# KiCad board hw-openmower-universal.kicad_pcb (continued)
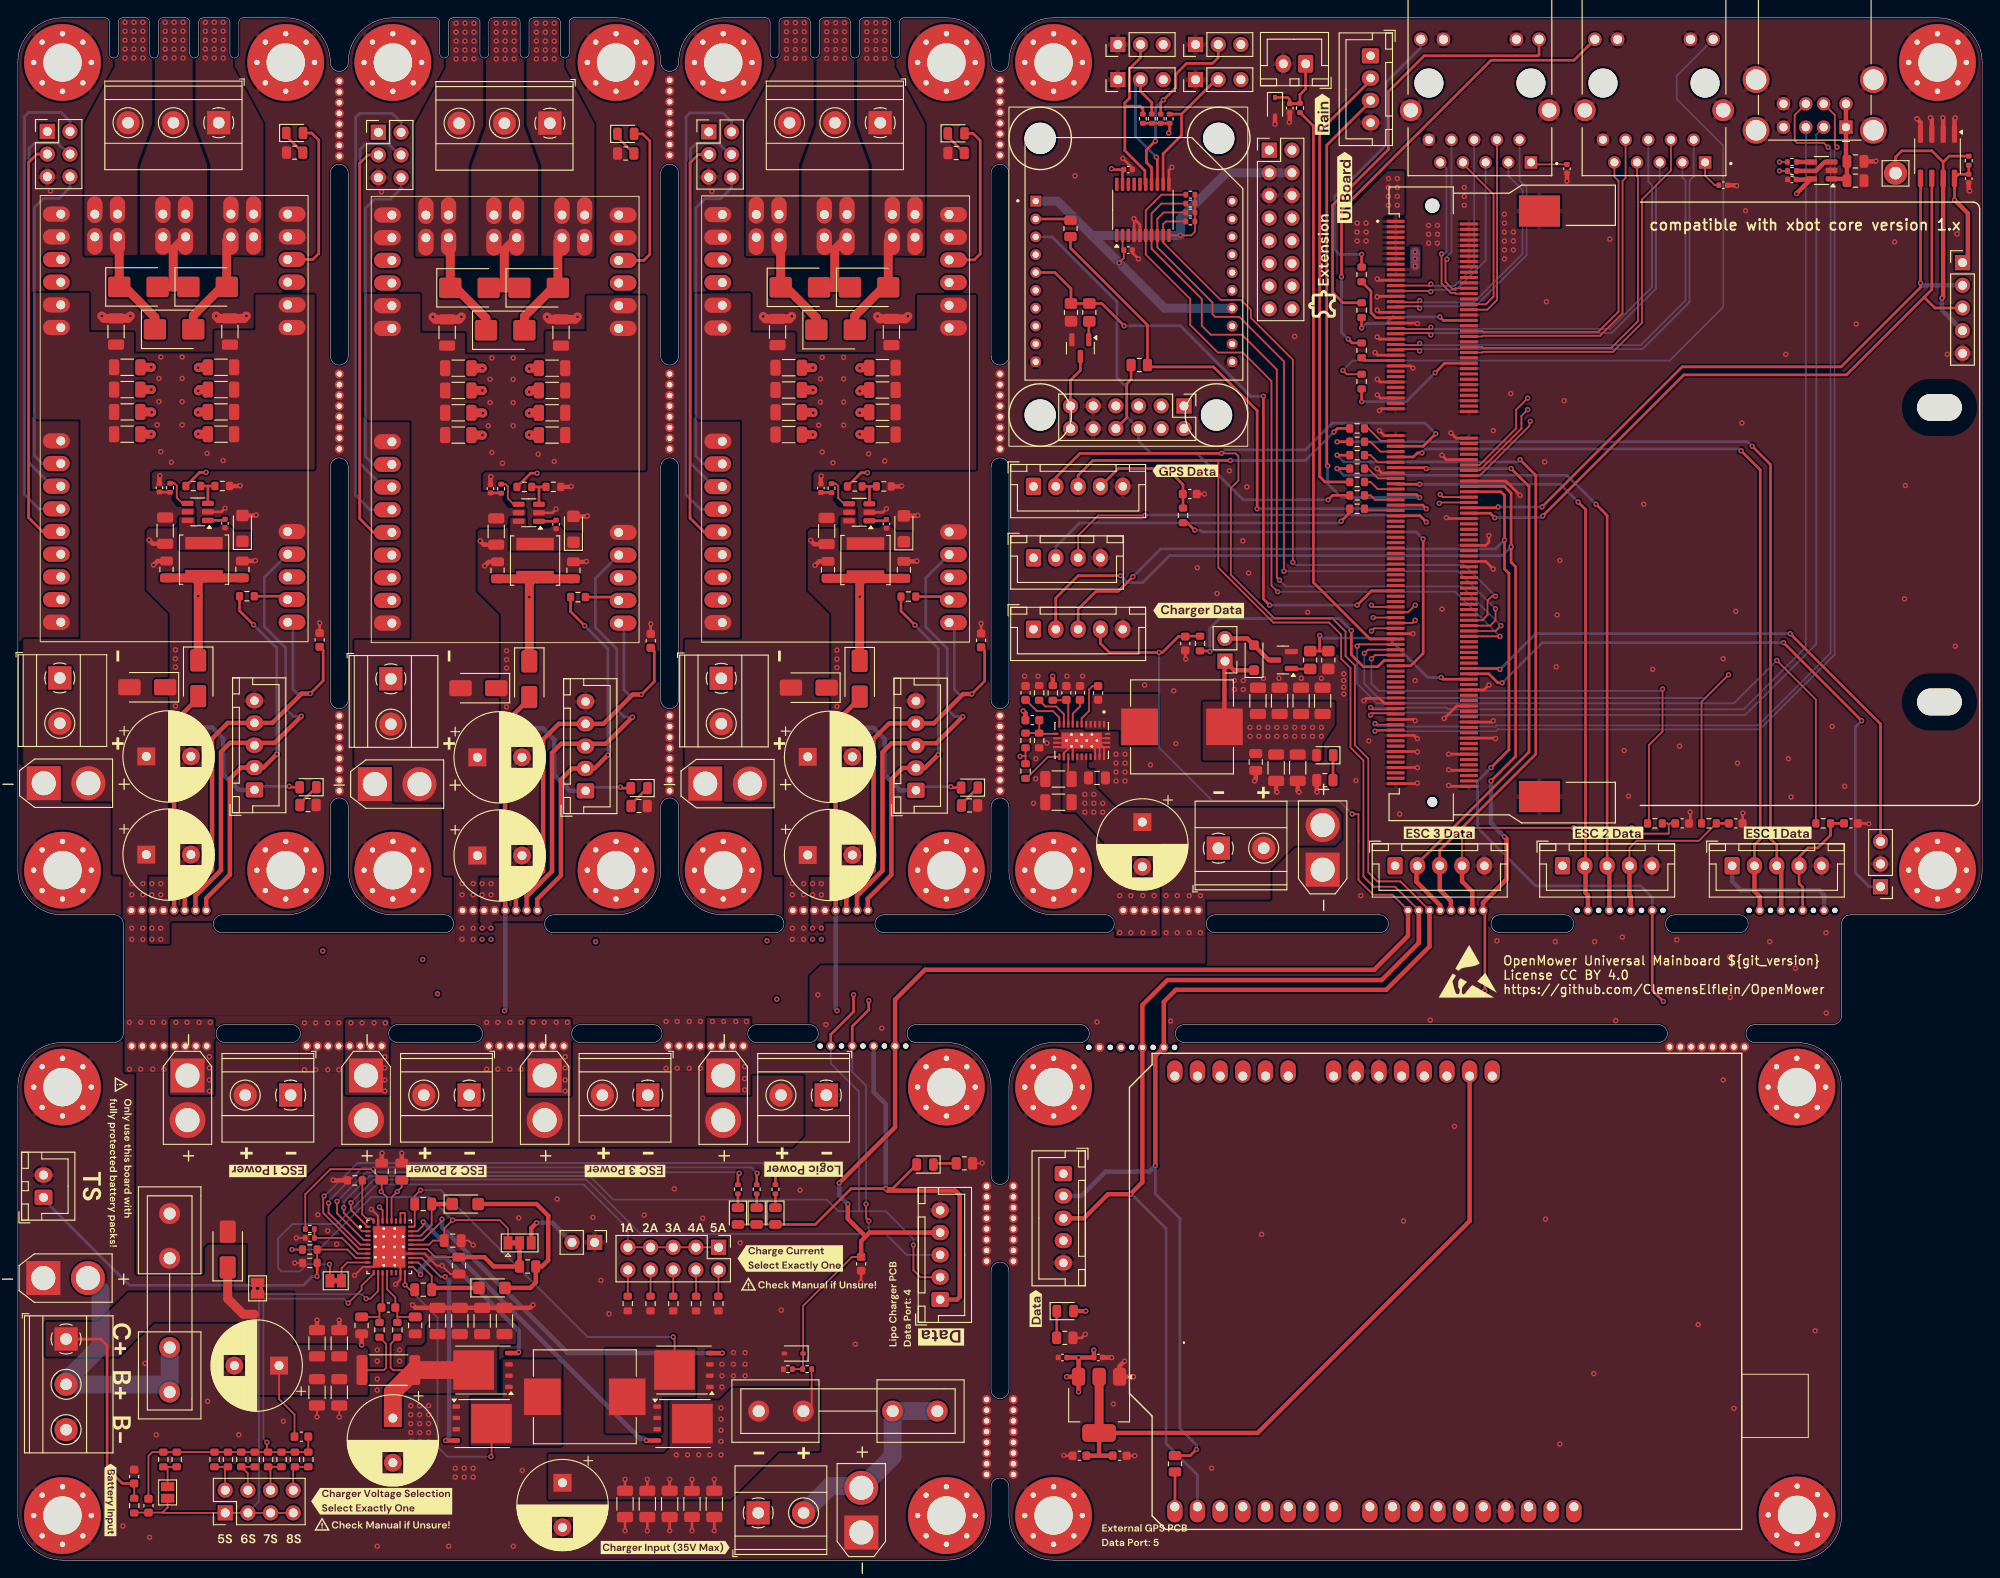
[diagram p0: board, top side]
## Placement (name value [footprint] x y rotation side) (continued)
L1  6.8uH  [L_Sunlord_MWSA1004S]  130.39 93.36 0 top
L4  10uH  [L_Sunlord_MWSA1004S]  63.5 18.3 180 top
L5  47uH  [L_Sunlord_SWPA5040S]  20.85 112.1 270 top
L6  47uH  [L_Sunlord_SWPA5040S]  57.93 112 270 top
L7  47uH  [L_Sunlord_SWPA5040S]  94.93 112.05 270 top
LOGO2  -  [ESD-Logo_6.6x6mm_SilkScreen]  162.39 65.99 0 top
M1  Fan  [PinHeader_1x02_P2.54mm_Vertical]  135.2 100.73 180 top
Q1  AO3400A  [SOT-23]  119 135.8 270 top
Q2  AO3400A  [SOT-23]  141.69 100.85 180 top
Q6  BSC0702LS  [TDSON-8-1]  74.5 15.3 0 top
Q7  BSC0702LS  [TDSON-8-1]  74.6 21.3 180 top
Q8  BSC0702LS  [TDSON-8-1]  52.1 21.3 180 top
Q9  BSC0702LS  [TDSON-8-1]  52 15.3 0 top
R1  150R  [R_0603_1608Metric]  150 125.3 0 top
R2  47kR  [R_0603_1608Metric]  68.31 28.75 90 top
R3  150R  [R_0603_1608Metric]  150 122.3 0 top
R4  25k 0.1%  [R_0603_1608Metric]  70.86 28.75 270 top
R5  150R  [R_0603_1608Metric]  150 123.8 0 top
R6  150R  [R_0603_1608Metric]  150 126.8 0 top
R7  10k  [R_0402_1005Metric]  198.7 156.65 180 top
R8  10k  [R_0402_1005Metric]  198.7 155.65 0 top
R9  100k  [R_0402_1005Metric]  17.05 120.15 90 top
R10  120k  [R_0603_1608Metric]  19.65 120.35 0 top
R11  300R  [R_0603_1608Metric]  150.5 132.05 90 top
R12  300R  [R_0603_1608Metric]  150.5 135.55 90 top
R13  300R  [R_0603_1608Metric]  150.5 140.05 90 top
R14  300R  [R_0603_1608Metric]  150.5 144.05 90 top
R15  10k  [R_0402_1005Metric]  218.5 156.8 90 top
R16  10k  [R_0402_1005Metric]  143.59 162.7 90 top
R17  22k  [R_0603_1608Metric]  22.9 120.35 0 top
R18  150R  [R_0603_1608Metric]  202.2 82.55 180 top
R19  10k  [R_0402_1005Metric]  131.32 149.99 180 top  (not fitted)
R21  100k  [R_0402_1005Metric]  32.7 37.1 0 top
R22  R  [R_1206_3216Metric]  75.5 6.3 270 top  (not fitted)
R23  16.2k 1%  [R_0603_1608Metric]  25.03 11.28 90 top
R24  10k  [R_0805_2012Metric_Pad1.20x1.40mm_HandSolder]  117.95 139.8 90 top
R25  150R  [R_0805_2012Metric_Pad1.20x1.40mm_HandSolder]  120 139.8 270 top
R26  2.2k  [R_0805_2012Metric]  117.9 149.2 270 top
R27  100k  [R_0402_1005Metric]  54.13 120.05 90 top
R28  120k  [R_0603_1608Metric]  56.73 120.25 0 top
R29  22k  [R_0603_1608Metric]  59.98 120.25 0 top
R30  100k  [R_0402_1005Metric]  91.13 120.1 90 top
R31  120k  [R_0603_1608Metric]  93.73 120.3 0 top
R32  22k  [R_0603_1608Metric]  96.98 120.3 0 top
R33  249kR 0.1%  [R_0603_1608Metric]  13.03 6.1 270 top
R34  10k  [R_0402_1005Metric]  80.65 41.55 90 top
R35  10k  [R_0402_1005Metric]  82.75 41.55 90 top
R36  16.2k 1%  [R_0603_1608Metric]  73.41 28.75 270 top
R37  10k  [R_0402_1005Metric]  131.32 150.99 180 top  (not fitted)
R38  10k  [R_0402_1005Metric]  131.32 151.99 180 top  (not fitted)
R39  150R  [R_0603_1608Metric]  189.4 82.55 180 top
R40  150R  [R_0603_1608Metric]  183.35 82.55 180 top
R41  10k  [R_0402_1005Metric]  131.32 152.99 180 top  (not fitted)
R42  150R  [R_0603_1608Metric]  132.4 102.7 270 top
R43  150R  [R_0603_1608Metric]  25.65 108 0 top
R44  1k  [R_0805_2012Metric]  117.26 24.91 0 top
R45  1k  [R_0805_2012Metric]  31 157.7 180 top
R46  1k  [R_0805_2012Metric]  68.08 157.6 180 top
R47  10k  [R_0402_1005Metric]  129 161.5 90 top
R48  10k  [R_0402_1005Metric]  127 161.5 90 top
R49  10k  [R_0402_1005Metric]  128 161.5 90 top
R50  10k  [R_0402_1005Metric]  126 161.5 90 top
R51  R  [R_0603_1608Metric]  114.38 97.17 90 top  (not fitted)
R52  10k  [R_0805_2012Metric_Pad1.20x1.40mm_HandSolder]  146.77 100.85 90 top  (not fitted)
R53  150R  [R_0805_2012Metric_Pad1.20x1.40mm_HandSolder]  144.74 100.85 270 top
R54  200k 0.1%  [R_0402_1005Metric]  88.4 21.4 0 top
R55  13k 0.1%  [R_0402_1005Metric]  86.25 21.4 0 top
R56  100k  [R_0603_1608Metric]  112.86 88.41 90 top
R57  100k 0.1%  [R_0603_1608Metric]  112.86 91.84 90 top
R58  2.2k  [R_0805_2012Metric]  125.6 133.9 0 top
R59  2.2k  [R_0805_2012Metric]  129.6 10.8 90 top
R60  1k  [R_0805_2012Metric]  105.09 157.66 180 top
R61  25k 0.1%  [R_0603_1608Metric]  114.38 91.84 270 top
R62  1k  [R_0805_2012Metric]  146.39 87.39 180 top
R63  150R  [R_0603_1608Metric]  130.5 117.05 270 top
R64  1k  [R_0805_2012Metric]  32.5 84.6 0 top
R65  1k  [R_0805_2012Metric]  69.58 84.5 0 top
R66  0R  [R_0805_2012Metric]  57.1 32.9 0 top
R67  5mR  [R_2512_6332Metric]  41.5 21.3 0 top
R68  10R  [R_0603_1608Metric]  42.5 25.8 90 top
R69  10R  [R_0603_1608Metric]  40.5 25.8 90 top
R70  150R  [R_0603_1608Metric]  62.73 107.9 0 top
R71  DNP  [R_0603_1608Metric]  26.53 11.28 90 top  (not fitted)
R72  5.24kR  [R_0603_1608Metric]  32.7 34.8 0 top  (not fitted)
R73  30.31kR  [R_0603_1608Metric]  32.7 33.3 180 top  (not fitted)
R74  133kR  [R_0603_1608Metric]  37.75 42.55 0 top
R75  10k  [R_0402_1005Metric]  32.7 36.1 180 top
R76  10k  [R_0402_1005Metric]  84.85 41.55 90 top
R77  150R  [R_0603_1608Metric]  99.74 107.96 0 top
R78  1k  [R_0805_2012Metric]  106.59 84.56 0 top
R79  1k  [R_0805_2012Metric]  106.01 44.46 0 top
R80  220kR 0.1%  [R_0603_1608Metric]  28.03 11.28 90 top
R81  12.1k 1%  [R_0603_1608Metric]  75.96 28.75 270 top
R82  0R  [R_0603_1608Metric]  115.91 97.17 270 top
R83  150R  [R_0603_1608Metric]  150 120.8 0 top
R84  150R  [R_0603_1608Metric]  150 119.3 0 top
R85  150R  [R_0603_1608Metric]  150 117.8 0 top
R86  15k 0.1%  [R_0603_1608Metric]  29.53 11.28 90 top
R87  20k 0.1%  [R_0603_1608Metric]  22.03 11.28 90 top
R88  DNP  [R_0603_1608Metric]  23.53 11.28 90 top  (not fitted)
R89  10k  [R_0603_1608Metric]  78.46 28.75 270 top
R93  12.1k 1%  [R_0603_1608Metric]  32.53 11.28 90 top
R94  DNP  [R_0603_1608Metric]  31.03 11.28 90 top  (not fitted)
R95  DNP  [R_0603_1608Metric]  17.79 11.28 90 top  (not fitted)
R96  DNP  [R_0603_1608Metric]  16.29 11.28 90 top  (not fitted)
TP1  TestPoint_2Pole  [PinHeader_1x02_P2.54mm_Vertical]  64.6 35.6 270 top
TP2  TestPoint  [Pin_D1.4mm_L8.5mm_W2.8mm_FlatFork]  210.3 155.4 0 top
U1  ~  [Mousebite_4]  125.95 57.45 180 top
U2  ~  [Mousebite_8]  77.05 57.6 0 top
U3  TPS2065CDBV  [SOT-23-5]  202 155.7 180 top
U4  ~  [Mousebite_8]  16.95 57.6 0 top
U5  M24C02-WMN  [SOIC-8_3.9x4.9mm_P1.27mm]  215 157.3 270 top
U6  AS-RTK2B-MICRO-F9P-L1L2SMATH-00  [MODULE_AS-RTK2B-MICRO-F9P-L1L2SMATH-00]  125 145.8 0 top  (not fitted)
U7  TXS0108EPW  [TSSOP-20_4.4x6.5mm_P0.65mm]  126 151.29 90 top
U8  xESC2  [xESC2-mini]  32.75 125.4 90 top  (not fitted)
U9  xESC2  [xESC2-mini]  69.83 125.3 90 top  (not fitted)
U10  xESC2  [xESC2-mini]  106.84 125.36 90 top  (not fitted)
U11  -  [LM76005RNPR]  119.15 91.84 270 top
U12  AMS1117-3.3  [SOT-223-3_TabPin2]  121.1 17.4 270 top
U13  ~  [UM9XX_WitMotion]  111 124.8 0 top  (not fitted)
U14  Fuse Holder  [Dummy]  17 36.3 0 top
U15  Fuse Holder  [Dummy]  85.5 16.7 90 top
U16  Fuse Holder  [Dummy]  17 21.3 0 top
U17  Fuse Holder  [Dummy]  100.5 16.7 90 top
U18  2.54mm 2x2 socket  [Dummy]  9.75 149.4 0 top
U19  2.54mm 2x2 socket  [Dummy]  46.83 149.3 0 top
U20  2.54mm 2x2 socket  [Dummy]  83.84 149.36 0 top
U21  2.54mm 2x2 socket  [Dummy]  24.75 149.4 0 top
U22  2.54mm 2x2 socket  [Dummy]  61.83 149.3 0 top
U23  2.54mm 2x2 socket  [Dummy]  98.84 149.36 0 top
U24  2.54mm 2x2 socket  [Dummy]  16.75 149.4 0 top
U25  2.54mm 2x2 socket  [Dummy]  53.83 149.3 0 top
U26  2.54mm 2x2 socket  [Dummy]  90.84 149.36 0 top
U27  -  [BQ25756RRVR]  41.6 35.1 0 top
U28  LV2862XDDC  [SOT-23-6]  20.15 117.45 180 top
U29  LV2862XDDC  [SOT-23-6]  57.23 117.35 180 top
U30  2.54mm 1x6 socket  [Dummy]  4.75 144.4 90 top
U31  2.54mm 1x6 socket  [Dummy]  41.83 144.3 90 top
U32  2.54mm 1x6 socket  [Dummy]  78.83 144.36 90 top
U33  2.54mm 1x6 socket  [Dummy]  29.75 144.4 90 top
U34  2.54mm 1x6 socket  [Dummy]  66.83 144.3 90 top
U35  2.54mm 1x6 socket  [Dummy]  103.84 144.36 90 top
U36  2.54mm 1x9 socket  [Dummy]  4.75 115.4 90 top
U37  2.54mm 1x9 socket  [Dummy]  41.83 115.3 90 top
U38  2.54mm 1x9 socket  [Dummy]  78.83 115.36 90 top
U39  2.54mm 1x5 socket  [Dummy]  29.75 110.4 90 top
U40  2.54mm 1x5 socket  [Dummy]  66.83 110.3 90 top
U41  2.54mm 1x5 socket  [Dummy]  103.84 110.36 90 top
U42  2.54mm 1x6 socket  [Dummy]  153 53.8 180 top
U43  2.54mm 1x8 socket  [Dummy]  173 53.8 180 top
U44  2.54mm 1x8 socket  [Dummy]  155 5.8 180 top
U45  2.54mm 1x10 socket  [Dummy]  180 5.8 180 top
U46  2.54mm 2x6 socket  [Dummy]  124 127.8 0 top
U47  LV2862XDDC  [SOT-23-6]  94.23 117.4 180 top
U48  ~  [Mousebite_4]  178.25 72.8 0 top
U49  ~  [Mousebite_4]  197.5 72.8 0 top
U50  ~  [Mousebite_8]  16.9 72.8 0 top
U51  ~  [Mousebite_8]  54 72.8 0 top
U52  ~  [Mousebite_8]  91 72.8 0 top
U53  ~  [Mousebite_8]  128 72.8 180 top
U54  ~  [Mousebite_8]  36.55 57.6 0 top
U55  ~  [Mousebite_8]  56.95 57.6 0 top
U56  ~  [Mousebite_8]  108.5 13.8 90 top
U57  ~  [Mousebite_8]  111.5 13.8 90 top
U58  ~  [Mousebite_8]  108.5 37.7 90 top
U59  ~  [Mousebite_8]  111.5 37.7 90 top
U60  ~  [Mousebite_8]  159.9 72.8 0 top
U61  ~  [Mousebite_4]  93.45 57.6 0 top
U62  ~  [Mousebite_8]  189.2 57.5 0 top
U63  ~  [Mousebite_8]  36 161.5 90 top
U64  ~  [Mousebite_8]  36 90.4 90 top
U65  ~  [Mousebite_8]  36 128.7 90 top
U66  ~  [Mousebite_8]  110 90.4 90 top
U67  ~  [Mousebite_8]  110 128.7 90 top
U68  ~  [Mousebite_8]  73 90.4 90 top
U69  ~  [Mousebite_8]  73 128.7 90 top
U70  ~  [Mousebite_8]  73 161.6 90 top
U71  ~  [Mousebite_8]  110 161.6 90 top
U72  Jumper Red  [Dummy]  23.2 6.5 0 top
U73  Jumper Blue  [Dummy]  68.3 33.8 0 top
U74  Fuse 2A  [Dummy]  93 16.7 0 top
U75  Fuse 2A  [Dummy]  17 28.8 0 top
XA1  Ardusimple_F9P  [Arduino_Uno_Shield_Ardusimple_Budget]  193.08 56.78 180 top  (not fitted)

## Library data of the parts
C1 C22 C23 C36 C51-C54 C57 C60-C62 C66 C67 C70 C71 C74 C75 C77 C85-C99 C104 = -: Description: Unpolarized capacitor; JLC: C13585; ki_fp_filters: C_*
C2 C6-C8 C48 C76 C109-C111 = -: Description: Unpolarized capacitor; JLC: C1653; ki_fp_filters: C_*
C3 C4 C10 C14 C15 C17-C20 C63 C100 C101 C105 C106 = -: Description: Unpolarized capacitor; JLC: C307331; ki_fp_filters: C_*
C5 C9 C24 C118 = -: Description: Unpolarized capacitor; JLC: C13967; ki_fp_filters: C_*
C11 C25 C28 C49 = -: Description: Unpolarized capacitor; ki_fp_filters: C_*
C12 = -: Description: Unpolarized capacitor; JLC: C14663; ki_fp_filters: C_*
C13 C16 C79 C81 C82 = -: Description: Unpolarized capacitor; JLC: C28233; ki_fp_filters: C_*
C21 C35 C102 C103 C107 C108 = -: Description: Unpolarized capacitor; JLC: C45783; ki_fp_filters: C_*
C26 = -: Description: Unpolarized capacitor; JLC: C23630; ki_fp_filters: C_*
C27 C83 = -: Description: Unpolarized capacitor; JLC: C1623; ki_fp_filters: C_*
C29-C33 C117 = -: Description: Unpolarized capacitor; JLC: C96123; ki_fp_filters: C_*
C34 C42 C47 C50 C64 C65 C68 C69 C72 C73 = -: Description: Polarized capacitor; JLC: C106516; ki_fp_filters: CP_*
C37 = -: Description: Unpolarized capacitor; JLC: C15525; ki_fp_filters: C_*
C38-C41 C43-C46 C55 C56 C58 C59 = -: Description: Unpolarized capacitor; JLC: C29823; ki_fp_filters: C_*
C78 C84 = -: Description: Unpolarized capacitor; JLC: C1779; ki_fp_filters: C_*
C80 = -: Description: Unpolarized capacitor; JLC: C354368; ki_fp_filters: C_*
C115 = -: Description: Unpolarized capacitor; JLC: C15849; ki_fp_filters: C_*
C119 C120 = -: Description: Unpolarized capacitor; JLC: C59461; ki_fp_filters: C_*
D1 D23 = -: Description: Zener diode; JLC: C426855; ki_fp_filters: TO-???* *_Diode_* *SingleDiode* D_*
D2 D22 D26 D27 D30 = -: Description: Schottky diode; JLC: C241868; ki_fp_filters: TO-???* *_Diode_* *SingleDiode* D_*
D3 = -: Digikey: 3757-SB54AFC_R1_00001CT-ND; Part Number: SB54AFC_R1_00001; Stock_PN: D-SMA-Schottky-40V-5A; JLC: C22452; ki_fp_filters: TO-???* *_Diode_* *SingleDiode* D_*
D4 D24 D28 = -: Datasheet: https://www.vishay.com/docs/88746/ss12.pdf; Description: 40V 1A Schottky Diode, SMA; JLC: C2480; ki_fp_filters: D*SMA*
D5 D6 D15 D25 D29 D31-D33 D36-D39 = -: Description: Light emitting diode; JLC: C2297; ki_fp_filters: LED* LED_SMD:* LED_THT:*
D7-D14 D17-D20 = -: Config: do not place; DNP: Y; ki_fp_filters: TO-???* *_Diode_* *SingleDiode* D_*
D21 = -: Part Number: AS160-M; Stock_PN: D-AS160-M; Digikey: 3757-SS0520_R1_00001CT-ND; JLC: C8598; ki_fp_filters: TO-???* *_Diode_* *SingleDiode* D_*
F1 F2 = -: Description: You will need a pair of holders; Part Number: https://aliexpress.com/item/4000318714025.html; Stock_PN: FH-FC-202-24; ki_fp_filters: *Fuse*
H1-H3 H5-H7 H10 H13-H15 H17 H20-H32 = -: Config: do not place; DNP: Y; ki_fp_filters: MountingHole*Pad*
J1 J15 = -: Digikey: 455-2249-ND; Part Number: B4B-XH-A(LF)(SN); Stock_PN: J-JST-XH-1x4; JLC: C144395; ki_fp_filters: Connector*:*_1x??_*
J2 = -: Description: Generic connector, double row, 02x04, odd/even pin numbering scheme (row 1 odd numbers, row 2 even numbers), script generated (kicad-library-utils/schlib/autogen/connector/); JLC: C5383105; ki_fp_filters: Connector*:*_2x??_*
J3 J22 J34 J35 = -: Description: Generic screw terminal, single row, 01x03, script generated (kicad-library-utils/schlib/autogen/connector/); JLC: C557666; ki_fp_filters: TerminalBlock*:*
J4 = -: Description: Generic connector, double row, 02x05, odd/even pin numbering scheme (row 1 odd numbers, row 2 even numbers), script generated (kicad-library-utils/schlib/autogen/connector/); JLC: C706895; ki_fp_filters: Connector*:*_2x??_*
J5 = -: Description: Generic connector, double row, 02x08, odd/even pin numbering scheme (row 1 odd numbers, row 2 even numbers), script generated (kicad-library-utils/schlib/autogen/connector/); JLC: C779499; ki_fp_filters: Connector*:*_2x??_*
J6 = -: Description: USB Type A connector, stacked; JLC: C720548; ki_fp_filters: USB*
J7 J8 = -: MF: hanrun; MAXIMUM_PACKAGE_HEIGHT: 13.75 mm; Package: None; Price: None; Check_prices: https://www.snapeda.com/parts/HR911130A/HanRun/view-part/?ref=eda; STANDARD: Manufacturer Recommendations; PARTREV: A; SnapEDA_Link: https://www.snapeda.com/parts/HR911130A/HanRun/view-part/?ref=snap; Availability: In Stock; MANUFACTURER: HanRun; JLC: C54408
J9 J14 J17 J42-J44 = -: Description: Generic connector, single row, 01x02, script generated (kicad-library-utils/schlib/autogen/connector/); JLC: C99101; ki_fp_filters: Connector*:*_1x??_*
J10 J13 J39-J41 J56 J58 J60 J62 = -: Description: Generic screw terminal, single row, 01x02, script generated (kicad-library-utils/schlib/autogen/connector/); JLC: C557665; ki_fp_filters: TerminalBlock*:*
J11 J16 J18 J20 J21 J23 J25-J27 J29 = -: Description: Generic connector, single row, 01x05, script generated (kicad-library-utils/schlib/autogen/connector/); JLC: C157991; ki_fp_filters: Connector*:*_1x??_*
J12 = -: JLC: C306045
J19 = -: Description: Generic connector, single row, 01x02, script generated (kicad-library-utils/schlib/autogen/connector/); JLC: C2910525; ki_fp_filters: Connector*:*_1x??_*
J24 = -: Digikey: 455-2946-ND; Part Number: B2B-XH-A-GU; Stock_PN: J-JST-XH-1x2; JLC: C2910525; ki_fp_filters: Connector*:*_1x??_*
J28 J30 J52 J54 = -: Digikey: 455-2231-ND; Part Number: B3B-XH-AM(LF)(SN); Stock_PN: J-JST-XH-1x3; JLC: C2937625; ki_fp_filters: Connector*:*_1x??_*
J31 = -: Description: Generic connector, single row, 01x03, script generated; ki_fp_filters: Connector*:*_1x??_*
J32 = -: Description: Generic connector, single row, 01x05, script generated; ki_fp_filters: Connector*:*_1x??_*
J36-J38 = -: Description: Generic connector, double row, 02x03, odd/even pin numbering scheme (row 1 odd numbers, row 2 even numbers), script generated (kicad-library-utils/schlib/autogen/connector/); JLC: C5383104; ki_fp_filters: Connector*:*_2x??_*
J57 J59 J61 J63 = -: Description: Generic connector, single row, 01x02, script generated (kicad-library-utils/schlib/autogen/connector/); JLC: C99102; ki_fp_filters: Connector*:*_1x??_*
JP1 = -: Description: 3-pole Solder Jumper, pins 1+2 closed/bridged; ki_fp_filters: SolderJumper*Bridged12*
JP2 JP4 = -: Description: Solder Jumper, 2-pole, closed/bridged; ki_fp_filters: SolderJumper*Bridged*
JP3 = -: Description: Solder Jumper, 2-pole, open; ki_fp_filters: SolderJumper*Open*
L1 = -: Description: Inductor; JLC: C408485; ki_fp_filters: Choke_* *Coil* Inductor_* L_*
L4 = -: Description: Inductor; JLC: C408487; ki_fp_filters: Choke_* *Coil* Inductor_* L_*
L5-L7 = -: Description: Inductor; JLC: C86617; ki_fp_filters: Choke_* *Coil* Inductor_* L_*
M1 = -: Part Number: DZ254R-11-02-63; Stock_PN: J-TH-1x2-.1; JLC: C2935908; ki_fp_filters: PinHeader*P2.54mm* TerminalBlock*
Q1 Q2 = -: Datasheet: https://www.onsemi.com/pub/Collateral/BSS138-D.PDF; Part Number: AP2300; Stock_PN: Q-AP2300; Digikey: BSS138K-13DICT-ND; JLC: C20917; ki_fp_filters: SOT?23*
Q6-Q9 = -: JLC: C501503; ki_fp_filters: TDSON*
R1 R3 R5 R6 R18 R39 R40 R42 R43 R63 R70 R77 R83-R85 = -: Description: Resistor; JLC: C22808; ki_fp_filters: R_*
R2 = -: Description: Resistor; JLC: C25819; ki_fp_filters: R_*
R4 R61 = -: Description: Resistor; JLC: C2828637; ki_fp_filters: R_*
R7 R8 R15 R16 R19 R34 R35 R37 R38 R41 R47-R50 R75 R76 = -: Description: Resistor; JLC: C25744; ki_fp_filters: R_*
R9 R21 R27 R30 = -: Description: Resistor; JLC: C25741; ki_fp_filters: R_*
R10 R28 R31 = -: Description: Resistor; JLC: C25808; ki_fp_filters: R_*
R11-R14 = -: Description: Resistor; JLC: C23025; ki_fp_filters: R_*
R17 R29 R32 = -: Description: Resistor; JLC: C31850; ki_fp_filters: R_*
R22 R51 R71-R73 R88 R94-R96 = -: Description: Resistor; ki_fp_filters: R_*
R23 R36 = -: Description: Resistor; JLC: C22885; ki_fp_filters: R_*
R24 R52 = -: Digikey: 738-RMCF0805FG10K0CT-ND; Part Number: RMCF0805FG10K0; Stock_PN: R-805-10K-.125W-1%; JLC: C17414; ki_fp_filters: R_*
R25 R53 = -: Stock_PN: R-805-150-.125W-1%; Digikey: 311-150CRCT-ND; Part Number: RC0805FR-07150RL; JLC: C17471; ki_fp_filters: R_*
R26 R58 R59 = -: Description: Resistor; JLC: C17520; ki_fp_filters: R_*
R33 = -: Description: Resistor; JLC: C705752; ki_fp_filters: R_*
R44-R46 R60 R62 R64 R65 R78 R79 = -: Description: Resistor; JLC: C17513; ki_fp_filters: R_*
R54 = -: Description: Resistor; JLC: C728556; ki_fp_filters: R_*
R55 = -: Description: Resistor; JLC: C852524; ki_fp_filters: R_*
R56 = -: Description: Resistor; JLC: C25803; ki_fp_filters: R_*
R57 = -: Description: Resistor; JLC: C122538; ki_fp_filters: R_*
R66 = -: Description: Resistor; JLC: C17477; ki_fp_filters: R_*
R67 = -: Description: Resistor; JLC: C309526; ki_fp_filters: R_*
R68 R69 = -: Description: Resistor; JLC: C22859; ki_fp_filters: R_*
R74 = -: Description: Resistor; JLC: C227577; ki_fp_filters: R_*
R80 = -: Description: Resistor; JLC: C861231; ki_fp_filters: R_*
R81 R93 = -: Description: Resistor; JLC: C22864; ki_fp_filters: R_*
R82 = -: Description: Resistor; JLC: C21189; ki_fp_filters: R_*
R86 = -: Description: Resistor; JLC: C2692707; ki_fp_filters: R_*
R87 = -: Description: Resistor; JLC: C4184; ki_fp_filters: R_*
R89 = -: Description: Resistor; JLC: C25804; ki_fp_filters: R_*
TP1 = -: Description: 2-polar test point; ki_fp_filters: Pin* Test*
TP2 = -: Description: test point; ki_fp_filters: Pin* Test*
U3 = -: Datasheet: https://www.ti.com/lit/ds/symlink/tps2051c.pdf; Description: 1A Current limited power switch, single channel, output discharge, reverse blocking, SOT-23-5; JLC: C353882; ki_fp_filters: SOT?23*
U5 = -: Datasheet: http://www.st.com/content/ccc/resource/technical/document/datasheet/b0/d8/50/40/5a/85/49/6f/DM00071904.pdf/files/DM00071904.pdf/jcr:content/translations/en.DM00071904.pdf; Description: 2Kb (256x8) I2C Serial EEPROM, 2.5-5.5V, SOIC-8; JLC: C7562; ki_fp_filters: SOIC*3.9x4.9mm*P1.27mm*
U6 = -: MF: ArduSimple; MAXIMUM_PACKAGE_HEIGHT: 6.35mm; Package: None; Price: None; Check_prices: https://www.snapeda.com/parts/AS-RTK2B-MICRO-F9P-L1L2SMATH-00/ArduSimple/view-part/?ref=eda; STANDARD: Manufacturer Recommendations; PARTREV: N/A; SnapEDA_Link: https://www.snapeda.com/parts/AS-RTK2B-MICRO-F9P-L1L2SMATH-00/ArduSimple/view-part/?ref=snap; Purchase-URL: https://www.snapeda.com/api/url_track_click_mouser/?unipart_id=12031383&manufacturer=ArduSimple&part_name=AS-RTK2B-MICRO-F9P-L1L2SMATH-00&search_term=ardusimple; Description_1: u-blox ZED-F9P series GNSS (Beidou, Galileo, GLONASS, GPS) dual band Evaluation Board ArduSimple GPS RTK simpleRTK2B Micro L1+L2 multi-band receiver, small size for PCB integration delivering centimeter accuracy - Option: u-blox zed-f9p , SMA antenna connector, Through hole form factor; MANUFACTURER: Ardusimple; Availability: In Stock
U7 = -: Datasheet: www.ti.com/lit/ds/symlink/txs0108e.pdf; Description: Bidirectional  level-shifting voltage translator, TSSOP-20; JLC: C17206; ki_fp_filters: *SSOP*4.4x6.5mm*P0.65mm*
U11 = -: Datasheet: https://www.ti.com/lit/ds/symlink/lm76005.pdf?ts=1718110395626&ref_url=https%253A%252F%252Fwww.ti.com%252Fproduct%252Fde-de%252FLM76005%252Fpart-details%252FLM76005RNPR; MF: Texas Instruments; SNAPEDA_PACKAGE_ID: 121635; MAXIMUM_PACKAGE_HEIGHT: 0.8 mm; Price: None; Package: WQFN-30 Texas Instruments; Check_prices: https://www.snapeda.com/parts/LM76005RNPR/Texas+Instruments/view-part/?ref=eda; STANDARD: Manufacturer Recommendations; PARTREV: A; SnapEDA_Link: https://www.snapeda.com/parts/LM76005RNPR/Texas+Instruments/view-part/?ref=snap; Purchase-URL: https://www.snapeda.com/api/url_track_click_mouser/?unipart_id=4770820&manufacturer=Texas Instruments&part_name=LM76005RNPR&search_term=lm76005rnpr; Description_1: 3.5-V to 60-V, 5-A synchronous step-down voltage converter; MANUFACTURER: Texas Instruments; Availability: In Stock; JLC: C2866241
U12 = -: Datasheet: http://www.advanced-monolithic.com/pdf/ds1117.pdf; Description: 1A Low Dropout regulator, positive, 3.3V fixed output, SOT-223; JLC: C6186; ki_fp_filters: SOT?223*TabPin2*
U14-U17 = -: JLC: C3130
U18-U26 = -: JLC: C92273
U27 = -: Datasheet: https://www.ti.com/lit/ds/symlink/bq25756.pdf; MF: Texas Instruments; MAXIMUM_PACKAGE_HEIGHT: 1.00mm; Package: VFQFN-36 Texas Instruments; Price: None; Check_prices: https://www.snapeda.com/parts/BQ25756RRVR/Texas+Instruments/view-part/?ref=eda; STANDARD: Manufacturer Recommendations; PARTREV: August 2023; SnapEDA_Link: https://www.snapeda.com/parts/BQ25756RRVR/Texas+Instruments/view-part/?ref=snap; Purchase-URL: https://www.snapeda.com/api/url_track_click_mouser/?unipart_id=14913022&manufacturer=Texas Instruments&part_name=BQ25756RRVR&search_term=bq25756rrvr; Description_1: Stand-alone or I&sup2;C-controlled 70-V bidirectional buck-boost charge controller with MPPT; Availability: In Stock; MANUFACTURER: Texas Instruments; JLC: C19272232
U28 U29 U47 = -: Datasheet: https://www.ti.com/lit/ds/symlink/lv2862.pdf; Description: 60V, 0.6A, stepdown, DC/DC converter, 770kHz; JLC: C3200285; ki_fp_filters: SOT?23*
U30-U35 U42 = -: JLC: C7509518
U36-U38 = -: JLC: C7509520
U39-U41 = -: JLC: C7509517
U43 U44 = -: JLC: C7509515
U45 = -: JLC: C7509514
U46 = -: JLC: C718230
U72 = -: JLC: C20417889
U73 = -: JLC: C20417886
U74 U75 = -: JLC: C356459
XA1 = -: Config: do not place; DNP: Y; ki_fp_filters: Arduino_Uno_Shield

## Footprints (pads in the part's own frame, mm; a bottom-side part is the same pattern mirrored in y, then rotated)
AMASS_XT30U-F_1x02_P5.0mm_Vertical
  rect 3.8x3.8 hole 2.7: 1(0,0)
  round 4 hole 2.7: 2(5,0)
AMASS_XT30U-M_1x02_P5.0mm_Vertical
  rect 3.8x3.8 hole 2.7: 1(0,0)
  round 3.8 hole 2.7: 2(5,0)
Arduino_Uno_Shield_Ardusimple_Budget
  oval 1.727x2.5 hole 1.016: (27.94,2.54) 3V3(35.56,2.54) 5V1(38.1,2.54) A0(50.8,2.54) A1(53.34,2.54) A2(55.88,2.54) A3(58.42,2.54) A4(60.96,2.54) A5(63.5,2.54) AREF(23.876,50.8) D0(63.5,50.8) D1(60.96,50.8) D2(58.42,50.8) D3(55.88,50.8) D4(53.34,50.8) D5(50.8,50.8) D6(48.26,50.8) D7(45.72,50.8) D8(41.656,50.8) D9(39.116,50.8) D10(36.576,50.8) D11(34.036,50.8) D12(31.496,50.8) D13(28.956,50.8) GND1(26.416,50.8) GND2(40.64,2.54) GND3(43.18,2.54) IORF(30.48,2.54) RST1(33.02,2.54) SCL(18.796,50.8) SDA(21.336,50.8) VIN(45.72,2.54)
BQ25756RRVR
  rrect 0.6x0.25 smd: 1(-2.4,2.25) 2(-2.4,1.75) 3(-2.4,1.25) 4(-2.4,0.75) 5(-2.4,0.25) 6(-2.4,-0.25) 7(-2.4,-0.75) 8(-2.4,-1.25) 9(-2.4,-1.75) 10(-2.4,-2.25) 19(2.4,-2.25) 20(2.4,-1.75) 21(2.4,-1.25) 22(2.4,-0.75) 23(2.4,-0.25) 24(2.4,0.25) 25(2.4,0.75) 26(2.4,1.25) 27(2.4,1.75) 28(2.4,2.25)
  rrect 0.25x0.6 smd: 11(-1.75,-2.9) 12(-1.25,-2.9) 13(-0.75,-2.9) 14(-0.25,-2.9) 15(0.25,-2.9) 16(0.75,-2.9) 17(1.25,-2.9) 18(1.75,-2.9) 29(1.75,2.9) 30(1.25,2.9) 31(0.75,2.9) 32(0.25,2.9) 33(-0.25,2.9) 34(-0.75,2.9) 35(-1.25,2.9) 36(-1.75,2.9)
  round 0.5 hole 0.3: 37(-1.55,1.16) 37(-1.55,0) 37(-1.55,-1.16) 37(-0.615,2.05) 37(-0.615,1.16) 37(-0.615,0) 37(-0.615,-1.16) 37(-0.615,-2.05) 37(0.615,2.05) 37(0.615,1.16) 37(0.615,0) 37(0.615,-1.16) 37(0.615,-2.05) 37(1.55,1.16) 37(1.55,0) 37(1.55,-1.16)
  rrect 3.6x4.6 smd: 37(0,0)
C_0402_1005Metric
  rrect 0.56x0.62 smd: 1(-0.48,0) 2(0.48,0)
C_0603_1608Metric
  rrect 0.9x0.95 smd: 1(-0.775,0) 2(0.775,0)
C_0805_2012Metric
  rrect 1x1.45 smd: 1(-0.95,0) 2(0.95,0)
C_1206_3216Metric
  rrect 1.15x1.8 smd: 1(-1.475,0) 2(1.475,0)
CP_Radial_D10.0mm_P5.00mm
  rect 2x2 hole 1: 1(0,0)
  round 2 hole 1: 2(5,0)
D_SMA
  rrect 2.5x1.8 smd: 1(-2,0) 2(2,0)
D_SMB
  rrect 2.5x2.3 smd: 1(-2.15,0) 2(2.15,0)
D_SMF
  rrect 1.3x1.4 smd: 1(-1.45,0) 2(1.45,0)
D_SOD-123F
  rrect 1.1x1.1 smd: 1(-1.4,0) 2(1.4,0)
D_SOD-323
  rrect 0.6x0.45 smd: 1(-1.05,0) 2(1.05,0)
Fuseholder5x20_horiz_open_inline_Type-I
  round 2.35 hole 1.35: 1(0,0) 1(5,0) 2(15,0) 2(20,0)
HR911130A
  round 3.25 hole 3.25 unplated: (-5.715,0) (5.715,0)
  rect 1.398x1.398 hole 0.89: 1(5.72,-8.89)
  round 1.398 hole 0.89: 2(4.44,-6.35) 3(3.18,-8.89) 4(1.9,-6.35) 5(0.64,-8.89) 6(-0.64,-6.35) 7(-1.9,-8.89) 8(-3.18,-6.35) 9(-4.44,-8.89) 10(-5.72,-6.35)
  round 1.53 hole 1.02: 11(6.625,4.9) 12(4.085,4.9) 13(-4.085,4.9) 14(-6.625,4.9)
  round 2.445 hole 1.63: S1(7.745,-3.05) S2(-7.745,-3.05)
JST_XH_B2B-XH-A_1x02_P2.50mm_Vertical
  rrect 1.7x2 hole 1: 1(0,0)
  oval 1.7x2 hole 1: 2(2.5,0)
JST_XH_B4B-XH-A_1x04_P2.50mm_Vertical
  rrect 1.7x1.95 hole 0.95: 1(0,0)
  oval 1.7x1.95 hole 0.95: 2(2.5,0) 3(5,0) 4(7.5,0)
JST_XH_B5B-XH-A_1x05_P2.50mm_Vertical
  rrect 1.7x1.95 hole 0.95: 1(0,0)
  oval 1.7x1.95 hole 0.95: 2(2.5,0) 3(5,0) 4(7.5,0) 5(10,0)
L_Sunlord_MWSA1004S
  rect 4.1x4.1 smd: 1(-4.75,0) 2(4.75,0)
L_Sunlord_SWPA5040S
  rect 1.4x4.2 smd: 1(-1.85,0) 2(1.85,0)
LED_0805_2012Metric
  rrect 0.975x1.4 smd: 1(-0.938,0) 2(0.938,0)
LM76005RNPR
  rrect 0.75x0.25 smd: 1(-1.825,2.5) 2(-1.825,2) 3(-1.825,1.5) 4(-1.825,1) 5(-1.825,0.5) 6(-1.825,0) 7(-1.825,-0.5) 8(-1.825,-1) 9(-1.825,-1.5) 10(-1.825,-2) 11(-1.825,-2.5) 16(1.825,-2.5) 17(1.825,-2) 18(1.825,-1.5) 19(1.825,-1) 20(1.825,-0.5) 21(1.825,0) 22(1.825,0.5) 23(1.825,1) 24(1.825,1.5) 25(1.825,2) 26(1.825,2.5)
  rrect 0.25x0.6 smd: 12(-0.75,-2.9) 13(-0.25,-2.9) 14(0.25,-2.9) 15(0.75,-2.9) 27(0.75,2.9) 28(0.25,2.9) 29(-0.25,2.9) 30(-0.75,2.9)
  round 0.5 hole 0.3: 31(-0.65,1.14) 31(-0.65,0) 31(-0.65,-1.14) 31(0,1.71) 31(0,0.57) 31(0,-0.57) 31(0,-1.71) 31(0.65,1.14) 31(0.65,0) 31(0.65,-1.14)
  rect 1.8x4.5 smd: 31(0,0)
MODULE_AS-RTK2B-MICRO-F9P-L1L2SMATH-00
  rect 1.208x1.208 hole 0.7: 1(-11.004,6.464)
  round 1.208 hole 0.7: 2(-11.004,4.464) 3(-11.004,2.464) 4(-11.004,0.464) 5(-11.004,-1.536) 6(-11.004,-3.536) 7(-11.004,-5.536) 8(-11.004,-7.536) 9(-11.004,-9.536) 10(-11.004,-11.536) 11(11.003,-11.536) 12(11.003,-9.536) 13(11.003,-7.536) 14(11.003,-5.536) 15(11.003,-3.536) 16(11.003,-1.536) 17(11.003,0.464) 18(11.003,2.464) 19(11.003,4.464) 20(11.003,6.464)
MountingHole_4.3mm_M4_Pad_Via
  round 0.9 hole 0.6: 1(-3.225,0) 1(-2.28,2.28) 1(-2.28,-2.28) 1(0,3.225) 1(0,-3.225) 1(2.28,2.28) 1(2.28,-2.28) 1(3.225,0)
  round 8.6 hole 4.3: 1(0,0)
Mousebite_4
  round 0.6 hole 0.6 unplated: (-3.6,0) (-1.2,0) (1.2,0) (3.6,0) (6,0)
  round 1 hole 0.6: 1(-2.4,0) 2(0,0) 3(2.4,0) 4(4.8,0)
Mousebite_8
  round 1 hole 0.6: 1(-4.2,0) 2(-3,0) 3(-1.8,0) 4(-0.6,0) 5(0.6,0) 6(1.8,0) 7(3,0) 8(4.2,0)
Pin_D1.4mm_L8.5mm_W2.8mm_FlatFork
  round 2.6 hole 1.4: 1(0,0)
PinHeader_1x02_P2.54mm_Vertical
  rect 1.7x1.7 hole 1: 1(0,0)
  oval 1.7x1.7 hole 1: 2(0,-2.54)
PinHeader_1x03_P2.54mm_Vertical
  rect 1.7x1.7 hole 1: 1(0,0)
  oval 1.7x1.7 hole 1: 2(0,-2.54) 3(0,-5.08)
PinHeader_1x05_P2.54mm_Vertical
  rect 1.7x1.7 hole 1: 1(0,0)
  oval 1.7x1.7 hole 1: 2(0,-2.54) 3(0,-5.08) 4(0,-7.62) 5(0,-10.16)
PinHeader_2x03_P2.54mm_Vertical
  rect 1.7x1.7 hole 1: 1(0,0)
  oval 1.7x1.7 hole 1: 2(2.54,0) 3(0,-2.54) 4(2.54,-2.54) 5(0,-5.08) 6(2.54,-5.08)
PinHeader_2x04_P2.54mm_Vertical
  rect 1.7x1.7 hole 1: 1(0,0)
  oval 1.7x1.7 hole 1: 2(2.54,0) 3(0,-2.54) 4(2.54,-2.54) 5(0,-5.08) 6(2.54,-5.08) 7(0,-7.62) 8(2.54,-7.62)
PinHeader_2x05_P2.54mm_Vertical
  rect 1.7x1.7 hole 1: 1(0,0)
  oval 1.7x1.7 hole 1: 2(2.54,0) 3(0,-2.54) 4(2.54,-2.54) 5(0,-5.08) 6(2.54,-5.08) 7(0,-7.62) 8(2.54,-7.62) 9(0,-10.16) 10(2.54,-10.16)
PinHeader_2x08_P2.54mm_Vertical
  rect 1.7x1.7 hole 1: 1(0,0)
  oval 1.7x1.7 hole 1: 2(2.54,0) 3(0,-2.54) 4(2.54,-2.54) 5(0,-5.08) 6(2.54,-5.08) 7(0,-7.62) 8(2.54,-7.62) 9(0,-10.16) 10(2.54,-10.16) 11(0,-12.7) 12(2.54,-12.7) 13(0,-15.24) 14(2.54,-15.24) 15(0,-17.78) 16(2.54,-17.78)
R_0402_1005Metric
  rrect 0.54x0.64 smd: 1(-0.51,0) 2(0.51,0)
R_0603_1608Metric
  rrect 0.8x0.95 smd: 1(-0.825,0) 2(0.825,0)
R_0805_2012Metric
  rrect 1.025x1.4 smd: 1(-0.912,0) 2(0.912,0)
R_0805_2012Metric_Pad1.20x1.40mm_HandSolder
  rrect 1.2x1.4 smd: 1(-1,0) 2(1,0)
R_1206_3216Metric
  rrect 1.125x1.75 smd: 1(-1.462,0) 2(1.462,0)
R_2512_6332Metric
  rrect 1.225x3.35 smd: 1(-2.962,0) 2(2.962,0)
SOIC-8_3.9x4.9mm_P1.27mm
  rrect 1.95x0.6 smd: 1(-2.475,1.905) 2(-2.475,0.635) 3(-2.475,-0.635) 4(-2.475,-1.905) 5(2.475,-1.905) 6(2.475,-0.635) 7(2.475,0.635) 8(2.475,1.905)
SolderJumper-2_P1.3mm_Bridged2Bar_Pad1.0x1.5mm
  rect 1x1.5 smd: 1(-0.65,0) 2(0.65,0)
SolderJumper-2_P1.3mm_Bridged_Pad1.0x1.5mm
  rect 1x1.5 smd: 1(-0.65,0) 2(0.65,0)
SolderJumper-2_P1.3mm_Open_Pad1.0x1.5mm
  rect 1x1.5 smd: 1(-0.65,0) 2(0.65,0)
SolderJumper-3_P1.3mm_Bridged12_Pad1.0x1.5mm
  rect 1x1.5 smd: 1(-1.3,0) 2(0,0) 3(1.3,0)
SOT-23
  rrect 1.475x0.6 smd: 1(-0.938,0.95) 2(-0.938,-0.95) 3(0.938,0)
SOT-23-5
  rrect 1.325x0.6 smd: 1(-1.137,0.95) 2(-1.137,0) 3(-1.137,-0.95) 4(1.137,-0.95) 5(1.137,0.95)
SOT-23-6
  rrect 1.325x0.6 smd: 1(-1.137,0.95) 2(-1.137,0) 3(-1.137,-0.95) 4(1.137,-0.95) 5(1.137,0) 6(1.137,0.95)
SOT-223-3_TabPin2
  rrect 2x1.5 smd: 1(-3.15,2.3) 2(-3.15,0) 3(-3.15,-2.3)
  rrect 2x3.8 smd: 2(3.15,0)
TDSON-8-1
  rrect 1.5x1.5 smd: (-0.2,0.85) (-0.2,-0.85) (1.5,0.85) (1.5,-0.85)
  custom 4.55x4.41 smd: (0.65,0)
  rrect 0.75x0.5 smd: (2.905,1.905) (2.905,0.635) (2.905,-0.635) (2.905,-1.905)
  rrect 0.85x0.5 smd: 1(-2.9,1.905) 2(-2.9,0.635) 3(-2.9,-0.635) 4(-2.9,-1.905)
  rect 4.55x4.41 smd: 5(1.05,0)
TerminalBlock_Phoenix_MKDS-1,5-2-5.08_1x02_P5.08mm_Horizontal
  rect 2.6x2.6 hole 1.3: 1(0,0)
  round 2.6 hole 1.3: 2(5.08,0)
TerminalBlock_Phoenix_MKDS-1,5-3-5.08_1x03_P5.08mm_Horizontal
  rect 2.6x2.6 hole 1.3: 1(0,0)
  round 2.6 hole 1.3: 2(5.08,0) 3(10.16,0)
TSSOP-20_4.4x6.5mm_P0.65mm
  rrect 1.475x0.4 smd: 1(-2.862,2.925) 2(-2.862,2.275) 3(-2.862,1.625) 4(-2.862,0.975) 5(-2.862,0.325) 6(-2.862,-0.325) 7(-2.862,-0.975) 8(-2.862,-1.625) 9(-2.862,-2.275) 10(-2.862,-2.925) 11(2.862,-2.925) 12(2.862,-2.275) 13(2.862,-1.625) 14(2.862,-0.975) 15(2.862,-0.325) 16(2.862,0.325) 17(2.862,0.975) 18(2.862,1.625) 19(2.862,2.275) 20(2.862,2.925)
UM9XX_WitMotion
  round 3.5 hole 3.5 unplated: (3.5,34.5) (3.5,3.5) (23.25,3.5) (23.5,34.5)
  rect 1.7x1.7 hole 1: 1(19.6,4.52)
  oval 1.7x1.7 hole 1: 2(17.06,4.52) 3(14.52,4.52) 4(11.98,4.52) 5(9.44,4.52) 6(6.9,4.52) 7(19.6,1.98) 8(17.06,1.98) 9(14.52,1.98) 10(11.98,1.98) 11(9.44,1.98) 12(6.9,1.98)
USB_A_Wuerth_61400826021_Horizontal_Stacked
  rect 1.5x1.5 hole 0.92: 1(0,0)
  round 1.5 hole 0.92: 2(2.5,0) 3(4.5,0) 4(7,0) 5(0,-2.62) 6(2.5,-2.62) 7(4.5,-2.62) 8(7,-2.62)
  round 3 hole 2.3: 9(-3.07,0.35) 9(-3.07,-5.33) 9(10.07,0.35) 9(10.07,-5.33)
